# KiCad board ovc5.kicad_pcb (continued)
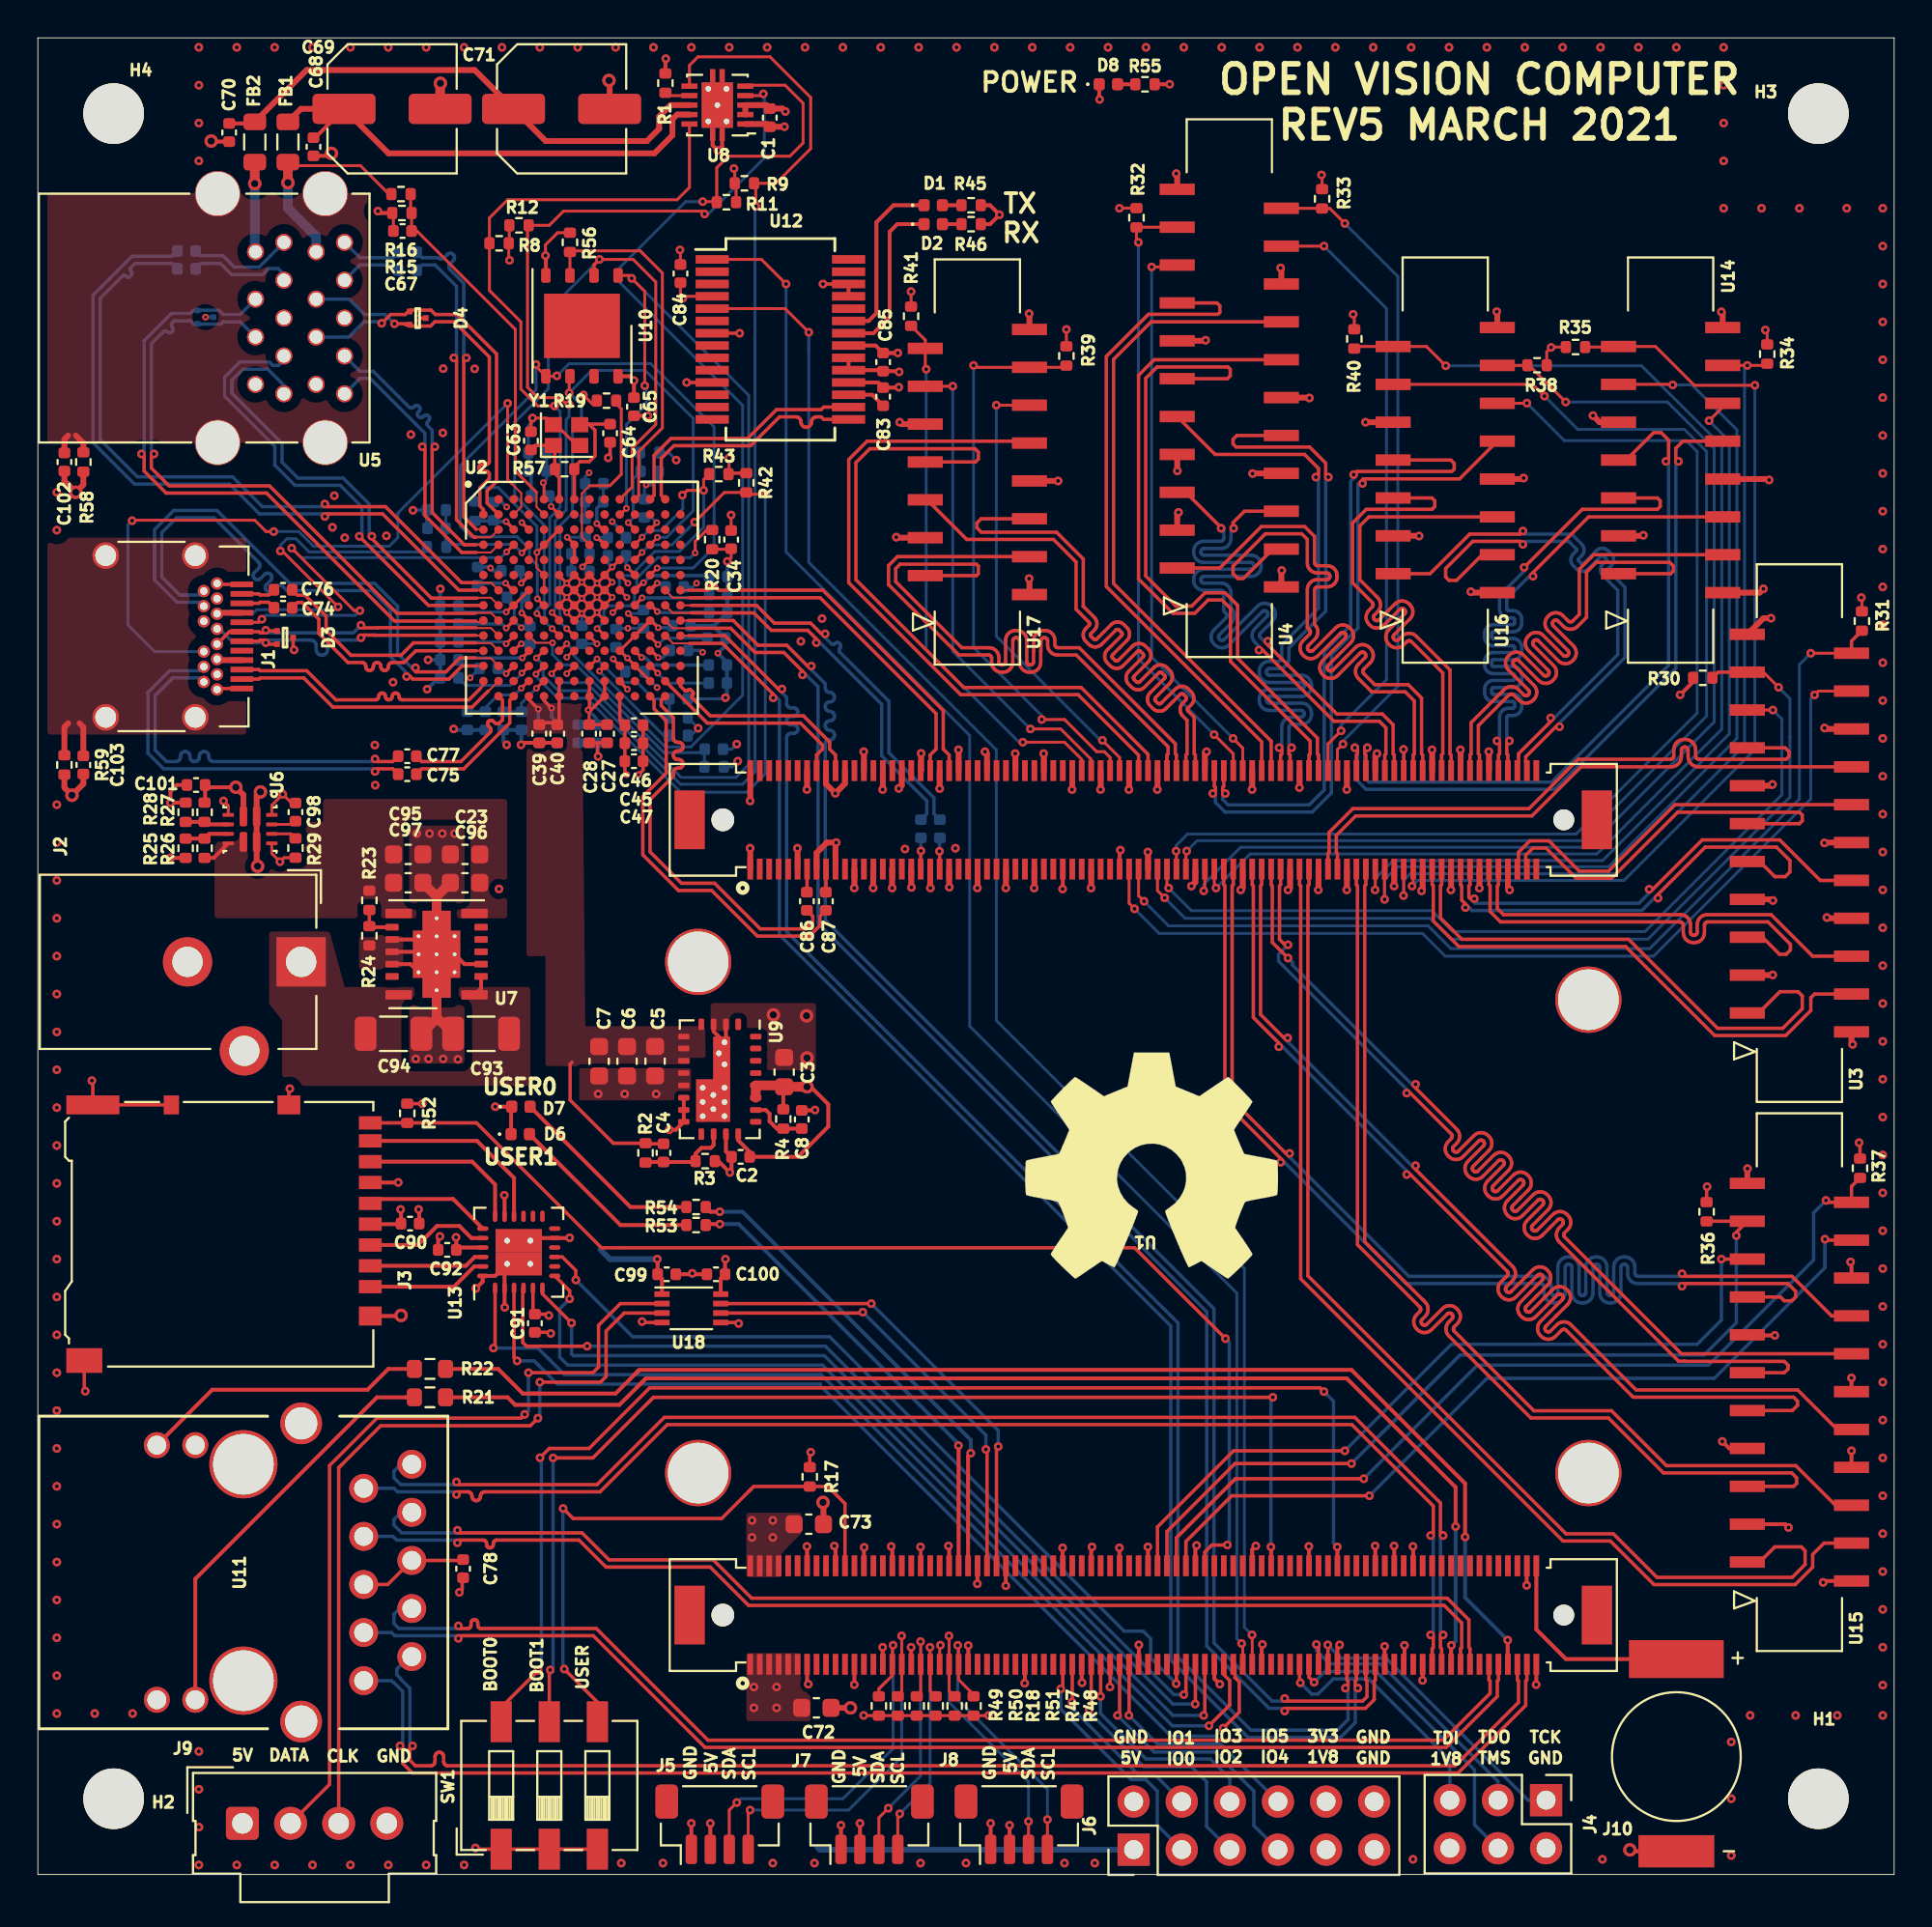
[diagram p0: board, top side]
## Nets
+1V2: C4.1 C5.1 C6.1 C7.1 C37.1 C38.1 C39.1 C40.1 R2.1 U2.N6 U2.P4 U2.P5 U2.P6 U9.4 U9.5 U9.6 U9.7
+1V8: C84.2 C91.2 C100.1 J4.6 J6.9 R30.1 R31.1 R32.1 R33.1 R34.1 R35.1 R36.1 R37.1 R38.1 R39.1 R40.1 R41.1 R52.1 U1.A41 U1.A74 U1.A77 U1.B52 U1.B64 U1.B67 U1.B76 U1.B88 U1.B95 U1.B108 U1.B128 U1.B140 U1.B143 U12.4 U13.5 U18.8
+3V3: C2.1 C3.1 C41.1 C42.1 C43.1 C44.1 C45.1 C46.1 C47.1 C48.1 C49.1 C50.1 C51.1 C52.1 C53.1 C54.1 C55.1 C56.1 C58.1 C60.1 C65.1 C85.1 C90.2 C92.1 J3.4 J5.2 J6.10 J7.2 J8.2 R4.1 R5.1 R6.1 R7.1 R8.1 R9.1 R11.1 R12.1 R17.1 R18.2 R42.1 R43.1 R44.2 R45.1 R46.1 R47.2 R48.2 R49.1 R50.1 R51.1 R55.1 R60.1 U1.A26 U1.A29 U1.A38 U1.A50 U1.A86 U1.B55 U1.B79 U1.B115 U1.B127 U1.B152 U1.B155 U2.A5 U2.C3 U2.C9 U2.C12 U2.E8 U2.F10 U2.G3 U2.G12 U2.H10 U2.J12 U2.K11 U2.L3 U2.L7 U2.L10 U2.L12 U2.M3 U2.M7 U2.M11 U2.N12 U2.P10 U3.22 U4.22 U9.10 U9.11 U9.12 U9.16 U9.19 U9.20 U10.8 U11.12 U11.13 U12.19 U12.20 U13.17 U13.21 U14.15 U15.22 U16.15 U17.15
+5V: C1.1 C34.1 C36.1 C72.1 C73.1 C99.2 J6.1 J9.1 U1.A1 U1.A2 U1.A3 U1.A4 U1.A5 U1.A6 U1.A7 U1.A8 U1.A9 U1.A11 U2.C4 U2.D7 U2.E7 U6.1 U6.8 U8.2 U8.3 U18.1
/USB/1V0_PHY: C12.1 C13.1 C14.1 C15.1 C16.1 C17.1 C18.1 C19.1 C20.1 C21.1 C22.1 C24.1 C25.1 C26.1 C27.1 C28.1 U2.G4 U2.G11 U2.H3 U2.H11 U2.H12 U2.J3 U2.K3 U2.K8 U2.K12 U2.L4 U2.L11 U2.M4 U2.M12 U2.N8 U2.N9 U2.P8 U2.P9
/USB/V1P0_MEM_A: C29.1 C30.1 U2.N5
/USB/V1P0_MEM_B: C31.1 C32.1 U2.N4
/USB/VBUS_0: FB1.2 R15.2 U5.10
/USB/VBUS_1: FB2.2 U5.1
/USB/VBUS_MON_P0: C66.1 R13.1 R14.2 U2.D4
/USB/VBUS_MON_P1: C67.1 R15.1 R16.2 U2.B5
/USB/VBUS_SW_0: C68.1 C69.1 FB1.1 U8.9
/USB/VBUS_SW_1: C70.1 C71.1 FB2.1 U8.8
/USB/VDD10: C57.1 C59.1 C61.1 C62.1 U2.F4 U2.F11 U2.J4 U2.J11
GND: C1.2 C2.2 C3.2 C5.2 C6.2 C7.2 C8.2 C9.2 C10.2 C11.2 C12.2 C13.2 C14.2 C15.2 C16.2 C17.2 C18.2 C19.2 C20.2 C21.2 C22.2 C23.2 C24.2 C25.2 C26.2 C27.2 C28.2 C29.2 C30.2 C31.2 C32.2 C33.2 C34.2 C35.2 C36.2 C37.2 C38.2 C39.2 C40.2 C41.2 C42.2 C43.2 C44.2 C45.2 C46.2 C47.2 C48.2 C49.2 C50.2 C51.2 C52.2 C53.2 C54.2 C55.2 C56.2 C57.2 C58.2 C59.2 C60.2 C61.2 C62.2 C63.1 C64.2 C65.2 C66.2 C67.2 C68.2 C69.2 C70.2 C71.2 C72.2 C73.2 C78.2 C83.1 C84.1 C85.2 C90.1 C91.1 C92.2 C93.2 C94.2 C95.2 C96.2 C97.2 C98.2 C99.1 C100.2 C101.2 C102.1 C103.1 D3.3 D4.3 D5.3 D6.1 D7.1 D8.1 J1.A1 J1.A12 J1.B1 J1.B12 J2.2 J2.3 J3.6 J3.10 J3.11 J4.2 J5.1 J6.2 J6.11 J6.12 J7.1 J8.1 J9.4 J10.1 R1.2 R3.2 R10.2 R14.1 R16.1 R19.2 R20.2 R24.2 R26.2 R28.2 R29.2 R56.2 R58.2 R59.2 SW1.1 SW1.2 SW1.3 U1.A13 U1.A14 U1.A20 U1.A23 U1.A32 U1.A35 U1.A44 U1.A47 U1.A56 U1.A59 U1.A68 U1.A71 U1.A80 U1.A83 U1.A96 U1.A99 U1.A108 U1.A109 U1.A120 U1.A125 U1.A134 U1.A135 U1.A138 U1.A139 U1.A142 U1.A143 U1.A166 U1.A167 U1.B1 U1.B2 U1.B11 U1.B14 U1.B15 U1.B18 U1.B19 U1.B22 U1.B23 U1.B26 U1.B27 U1.B30 U1.B31 U1.B34 U1.B35 U1.B38 U1.B39 U1.B42 U1.B43 U1.B46 U1.B49 U1.B58 U1.B61 U1.B70 U1.B73 U1.B82 U1.B85 U1.B98 U1.B105 U1.B118 U1.B121 U1.B134 U1.B137 U1.B146 U1.B149 U1.B158 U1.B161 U2.E10 U2.F6 U2.F7 U2.F8 U2.F9 U2.G6 U2.G7 U2.G8 U2.G9 U2.H6 U2.H7 U2.H8 U2.H9 U2.J7 U2.J8 U2.J9 U2.N10 U3.1 U3.4 U3.7 U3.8 U3.11 U3.14 U3.17 U4.1 U4.4 U4.7 U4.8 U4.11 U4.14 U4.17 U5.4 U5.7 U5.13 U5.16 U6.3 U6.9 U6.12 U7.3 U7.10 U7.11 U7.12 U7.15 U8.1 U8.11 U9.2 U9.3 U9.8 U9.9 U9.15 U9.25 U10.4 U11.MNT U11.SHLD U12.7 U12.11 U12.18 U12.21 U12.25 U12.26 U13.2 U13.11 U13.24 U13.25 U14.1 U14.4 U14.7 U14.10 U15.1 U15.4 U15.7 U15.8 U15.11 U15.14 U15.17 U16.1 U16.4 U16.7 U16.10 U17.1 U17.4 U17.7 U17.10 U18.4 U18.5 Y1.2 Y1.4
VBUS: C101.1 J1.A4 J1.A9 J1.B4 J1.B9 R13.2 R27.1 U6.2
/Enclustra module/BATT: J10.2 U1.A168
/Enclustra module/JTAG_TCK: J4.1 U1.A123
/Enclustra module/JTAG_TDI: J4.5 U1.A117
/Enclustra module/JTAG_TDO: J4.3 U1.A121
/Enclustra module/JTAG_TMS: J4.4 U1.A119
/Enclustra module/USER_LED0: R53.1 U1.A46
/Enclustra module/USER_LED1: R54.1 U1.A48
/Interfaces/FAN_CLK: J9.3 U18.3
/Interfaces/FAN_DATA: J9.2 U18.2
/Interfaces/RXLED: D2.1 U12.22
/Interfaces/SD_CLK: J3.5 U13.19
/Interfaces/SD_CMD: J3.3 U13.20
/Interfaces/SD_D0: J3.7 U13.18
/Interfaces/SD_D1: J3.8 U13.16
/Interfaces/SD_D2: J3.1 U13.23
/Interfaces/SD_D3: J3.2 U13.22
/Interfaces/TXLED: D1.1 U12.23
/Power/VAUX: C93.1 C94.1 J2.1 U7.1 U7.2 U7.14
/Power/VREG: C23.1 C95.1 C96.1 C97.1 R23.1 R25.1 U6.6 U6.7 U7.7 U7.8
/USB/A_SHIELD: C102.2 R58.1 U5.S
/USB/C_SHIELD: C103.2 J1.S1 R59.1
/USB/CHIPEN: R60.2 U2.M9
/USB/nOVC0: R8.2 U2.K6 U8.10
/USB/nOVC1: R9.2 U2.L5 U8.6
/USB/RESET_HUB: C9.1 R5.2 U2.M8
/USB/USB_DS_CC1: J1.A5 U2.D3
/USB/USB_DS_CC2: J1.B5 U2.B3
/USB/USB_DS_D_N: D3.2 J1.A7 J1.B7 U2.K1
/USB/USB_DS_D_P: D3.1 J1.A6 J1.B6 U2.K2
/USB/USB_DS_RX1_N: J1.B10 U2.M2
/USB/USB_DS_RX1_P: J1.B11 U2.M1
/USB/USB_DS_RX2_N: J1.A10 U2.N1
/USB/USB_DS_RX2_P: J1.A11 U2.N2
/USB/USB_DS_TX1_CONN_N: C76.1 J1.A2
/USB/USB_DS_TX1_CONN_P: C74.1 J1.A3
/USB/USB_DS_TX1_N: C76.2 U2.L2
/USB/USB_DS_TX1_P: C74.2 U2.L1
/USB/USB_DS_TX2_CONN_N: C77.1 J1.B2
/USB/USB_DS_TX2_CONN_P: C75.1 J1.B3
/USB/USB_DS_TX2_N: C77.2 U2.P2
/USB/USB_DS_TX2_P: C75.2 U2.P3
/USB/USB_H0_D_N: D4.2 U2.B1 U5.11
/USB/USB_H0_D_P: D4.1 U2.B2 U5.12
/USB/USB_H0_RX_N: U2.D2 U5.14
/USB/USB_H0_RX_P: U2.D1 U5.15
/USB/USB_H0_TX_CONN_N: C79.1 U5.17
/USB/USB_H0_TX_CONN_P: C81.1 U5.18
/USB/USB_H0_TX_N: C79.2 U2.C2
/USB/USB_H0_TX_P: C81.2 U2.C1
/USB/USB_H1_D_N: D5.2 U2.J1 U5.2
/USB/USB_H1_D_P: D5.1 U2.J2 U5.3
/USB/USB_H1_RX_N: U2.H2 U5.5
/USB/USB_H1_RX_P: U2.H1 U5.6
/USB/USB_H1_TX_CONN_N: C80.1 U5.8
/USB/USB_H1_TX_CONN_P: C82.1 U5.9
/USB/USB_H1_TX_N: C80.2 U2.G2
/USB/USB_H1_TX_P: C82.2 U2.G1
/USB/USB_I2C_SCL: R42.2 U2.E11 U2.M5
/USB/USB_I2C_SDA: R43.2 U2.D11 U2.G10
/USB/USB_SP_nWP: R56.1 U2.A11 U10.3
/USB/USB_SPI_CLK: U2.D12 U2.K7 U10.6
/USB/USB_SPI_CS: U2.B10 U2.M6 U10.1
/USB/USB_SPI_DI: U2.F12 U2.H5 U10.5
/USB/USB_SPI_DO: U2.A10 U2.J5 U10.2
/USB/USB_US0_CC1: R19.1 U2.D8
/USB/USB_US1_CC1: R20.1 U2.K9
/USB/USBEN0: R12.2 U2.J6 U8.4
/USB/USBEN1: R11.2 U2.L6 U8.5
/USB/XRES_DMC: C10.1 R6.2 U2.C11
/USB/XRES_PD: C11.1 R7.2 U2.K4
BOOT_MODE0: SW1.6 U1.A126
BOOT_MODE1: SW1.5 U1.A112
CAM0_CLK+: U1.B123 U3.16
CAM0_CLK-: U1.B125 U3.15
CAM0_DAT0+: U1.B151 U3.10
CAM0_DAT0-: U1.B153 U3.9
CAM0_DAT1+: U1.B163 U3.13
CAM0_DAT1-: U1.B165 U3.12
CAM0_DAT2+: U1.B157 U3.6
CAM0_DAT2-: U1.B159 U3.5
CAM0_DAT3+: U1.B145 U3.3
CAM0_DAT3-: U1.B147 U3.2
CAM0_ENABLE: U1.B89 U3.18
CAM0_SCL: R30.2 U1.B87 U3.20
CAM0_SDA: R31.2 U1.B83 U3.21
CAM0_TRIGGER: U1.B81 U3.19
CAM1_CLK+: U1.B110 U4.16
CAM1_CLK-: U1.B112 U4.15
CAM1_DAT0+: U1.B114 U4.10
CAM1_DAT0-: U1.B116 U4.9
CAM1_DAT1+: U1.B120 U4.13
CAM1_DAT1-: U1.B122 U4.12
CAM1_DAT2+: U1.B136 U4.6
CAM1_DAT2-: U1.B138 U4.5
CAM1_DAT3+: U1.B142 U4.3
CAM1_DAT3-: U1.B144 U4.2
CAM1_ENABLE: U1.B106 U4.18
CAM1_SCL: R32.2 U1.B104 U4.20
CAM1_SDA: R33.2 U1.B126 U4.21
CAM1_TRIGGER: U1.B124 U4.19
CAM2_CLK+: U1.B130 U14.9
CAM2_CLK-: U1.B132 U14.8
CAM2_DAT0+: U1.B154 U14.3
CAM2_DAT0-: U1.B156 U14.2
CAM2_DAT1+: U1.B160 U14.6
CAM2_DAT1-: U1.B162 U14.5
CAM2_ENABLE: U1.B133 U14.11
CAM2_SCL: R34.2 U1.B139 U14.13
CAM2_SDA: R35.2 U1.B141 U14.14
CAM2_TRIGGER: U1.B135 U14.12
CAM3_CLK+: U1.B101 U15.16
CAM3_CLK-: U1.B103 U15.15
CAM3_DAT0+: U1.B107 U15.10
CAM3_DAT0-: U1.B109 U15.9
CAM3_DAT1+: U1.B111 U15.13
CAM3_DAT1-: U1.B113 U15.12
CAM3_DAT2+: U1.B129 U15.6
CAM3_DAT2-: U1.B131 U15.5
CAM3_DAT3+: U1.B117 U15.3
CAM3_DAT3-: U1.B119 U15.2
CAM3_ENABLE: U1.A88 U15.18
CAM3_SCL: R36.2 U1.A90 U15.20
CAM3_SDA: R37.2 U1.A92 U15.21
CAM3_TRIGGER: U1.A94 U15.19
CAM4_CLK+: U1.B100 U16.9
CAM4_CLK-: U1.B102 U16.8
CAM4_DAT0+: U1.B164 U16.3
CAM4_DAT0-: U1.B166 U16.2
CAM4_DAT1+: U1.B148 U16.6
CAM4_DAT1-: U1.B150 U16.5
CAM4_ENABLE: U1.B91 U16.11
CAM4_SCL: R38.2 U1.B97 U16.13
CAM4_SDA: R40.2 U1.B99 U16.14
CAM4_TRIGGER: U1.B93 U16.12
CAM5_CLK+: U1.B84 U17.9
CAM5_CLK-: U1.B86 U17.8
CAM5_DAT0+: U1.B90 U17.3
CAM5_DAT0-: U1.B92 U17.2
CAM5_DAT1+: U1.B94 U17.6
CAM5_DAT1-: U1.B96 U17.5
CAM5_ENABLE: U1.B80 U17.11
CAM5_SCL: R39.2 U1.B78 U17.13
CAM5_SDA: R41.2 U1.B72 U17.14
CAM5_TRIGGER: U1.B74 U17.12
DEBUG_UART_RX: U1.A105 U12.1
DEBUG_UART_TX: U1.A107 U12.5
FPGA_FAN_CLK: U1.A52 U18.6
FPGA_FAN_DATA: U1.A54 U18.7
FPGA_USB0_D+: U1.A127 U2.K14
FPGA_USB0_D-: U1.A129 U2.K13
FPGA_USB0_RX+: U1.B16 U2.N13
FPGA_USB0_RX-: U1.B20 U2.N14
FPGA_USB0_TX+: C86.1 U2.P13
FPGA_USB0_TX-: C87.1 U2.P12
FPGA_USB1_D+: U1.A131 U2.J14
FPGA_USB1_D-: U1.A133 U2.J13
FPGA_USB1_RX+: U1.B40 U2.G13
FPGA_USB1_RX-: U1.B44 U2.G14
FPGA_USB1_TX+: C88.1 U2.H13
FPGA_USB1_TX-: C89.1 U2.H14
GBE_LED_ACT: R21.2 U1.A149
GBE_LED_LINK: R22.2 U1.A161
GBE_MDI0_N: U1.A163 U11.2
GBE_MDI0_P: U1.A165 U11.1
GBE_MDI1_N: U1.A157 U11.4
GBE_MDI1_P: U1.A159 U11.3
GBE_MDI2_N: U1.A151 U11.7
GBE_MDI2_P: U1.A153 U11.8
GBE_MDI3_N: U1.A145 U11.9
GBE_MDI3_P: U1.A147 U11.10
GPIO0: J6.3 U1.A67
GPIO1: J6.4 U1.A69
GPIO2: J6.5 U1.A73
GPIO3: J6.6 U1.A75
GPIO4: J6.7 U1.A79
GPIO5: J6.8 U1.A81
QWIIC0_SCL: J5.4 R18.1 U1.A33
QWIIC0_SDA: J5.3 R49.2 U1.A31
QWIIC1_SCL: J7.4 R47.1 U1.A39
QWIIC1_SDA: J7.3 R50.2 U1.A37
QWIIC2_SCL: J8.4 R48.1 U1.A45
QWIIC2_SDA: J8.3 R51.2 U1.A43
SDIO_CDn: J3.9 R52.2 U1.A98
SDIO_CLK: U1.A91 U13.9
SDIO_CMD: U1.A93 U13.4
SDIO_D0: U1.A95 U13.6
SDIO_D1: U1.A97 U13.7
SDIO_D2: U1.A101 U13.1
SDIO_D3: U1.A103 U13.3
USB_UART_D+: U2.A13 U12.15
USB_UART_D-: U2.A12 U12.16
USER_DIP: R17.2 SW1.4 U1.A22
Net-(C4-Pad2): C4.2 R2.2 R3.1 U9.14
Net-(C8-Pad1): C8.1 R4.2 U9.18
Net-(C33-Pad1): C33.1 U2.D9
Net-(C35-Pad1): C35.1 U2.B6
Net-(C63-Pad2): C63.2 R57.2 U2.A6 Y1.1
Net-(C78-Pad1): C78.1 U11.5 U11.6
Net-(C83-Pad2): C83.2 U12.17
Net-(C86-Pad2): C86.2 U1.B13
Net-(C87-Pad2): C87.2 U1.B17
Net-(C88-Pad2): C88.2 U1.B37
Net-(C89-Pad2): C89.2 U1.B41
Net-(C98-Pad1): C98.1 U6.11
Net-(D1-Pad2): D1.2 R45.2
Net-(D2-Pad2): D2.2 R46.2
Net-(D6-Pad2): D6.2 R53.2
Net-(D7-Pad2): D7.2 R54.2
Net-(D8-Pad2): D8.2 R55.2
Net-(R1-Pad1): R1.1 U8.7
Net-(R10-Pad1): R10.1 U2.M10
Net-(R21-Pad1): R21.1 U11.11
Net-(R22-Pad1): R22.1 U11.14
Net-(R23-Pad2): R23.2 R24.1 U7.9
Net-(R25-Pad2): R25.2 R26.1 U6.5
Net-(R27-Pad2): R27.2 R28.1 U6.4
Net-(R29-Pad1): R29.1 U6.10
Net-(R44-Pad1): R44.1 U2.C6 U2.D5 U2.F5 U2.G5
Net-(U2-PadA7): C64.1 R57.1 U2.A7 Y1.3

Pads without a net: J1 A8 B8; J5 MP; J7 MP; J8 MP; U1 A10 A12 A15 A16 A17 A18 A19 A21 A24 A25 A27 A28 A30 A34 A36 A40 A42 A49 A51 A53 A55 A57 A58 A60 A61 A62 A63 A64 A65 A66 A70 A72 A76 A78 A82 A84 A85 A87 A89 A100 A102 A104 A106 A110 A111 A113 A114 A115 A116 A118 A122 A124 A128 A130 A132 A136 A137 A140 A141 A144 A146 A148 A150 A152 A154 A155 A156 A158 A160 A162 A164 AM1 AM2 B3 B4 B5 B6 B7 B8 B9 B10 B12 B21 B24 B25 B28 B29 B32 B33 B36 B45 B47 B48 B50 B51 B53 B54 B56 B57 B59 B60 B62 B63 B65 B66 B68 B69 B71 B75 B77 B167 B168 BM1 BM2 H1 H2 H3 H4; U2 A2 A3 A4 A8 A9 B4 B7 B8 B9 B11 B12 B13 B14 C5 C7 C8 C10 C13 C14 D6 D10 D13 D14 E1 E2 E3 E4 E5 E6 E9 E12 E13 E14 F1 F2 F3 F13 F14 H4 J10 K5 K10 L8 L9 L13 L14 M13 M14 N3 N7 N11 P7 P11; U7 4 5 6 13; U9 1 13 17 21 22 23 24; U10 7 9; U12 2 3 6 8 9 10 12 13 14 24 27 28; U13 8 10 12 13 14 15

## Via types
v1: diameter 0.457, hole 0.203, Top to Bottom, 623 vias
v2: diameter 0.356, hole 0.152, Top to Bottom, 95 vias
v3: diameter 0.711, hole 0.381, Top to Bottom, 19 vias

## Routing (per net, layer and track width the routed paths; a pad name or vN(x,y) marks a point on that pad's centre or on a via; arc(x,y) is an arc through that point)
+1V2: length 14.4
  Top w0.178: U2.P4 25.92,62.05 v2(26.42,61.55) ; 28.2,42.9 28.1,42.8 28.1,40.9 30.38,38.62 R2.1 32.11,38.59 C4.1 ; v2(27.12,61.6) 26.72,62 U2.P5 ; U2.N6 U2.P6 27.52,60.93 27.42,60.83 26.47,60.83
  Bottom w0.178: 27.42,60.83 27.12,61.13 v2(27.12,61.6) ; 26.47,60.83 26.42,60.88 v2(26.42,61.55)
+1V8: length 31.4
  Top w0.152: R34.1 91.3,81.47 v1(91.2,81.57) ; R35.1 79.91,80.67 v1(79.89,80.65) 79.66,80.42 R38.1 ; R41.1 v1(46.1,83.6) ; U1.A41 47.61,12.07 v1(47.65,12.11) ; R33.1 67.8,89.73 v1(67.77,89.76) ; C84.2 33.92,83.38 v1(34.05,83.25) 34.15,83.35 U12.4 ; R32.1 57.11,88.01 v1(57.1,88) ; v1(69.44,82.4) 69.5,82.34 R40.1 ; v1(96.27,67.44) 96.3,67.41 R31.1 ; R39.1 v1(54.3,81.6)
  Top w0.178: v1(20.3,40.7) 20.29,40.71 R52.1 ; R36.1 88.1,36.3 v1(88.12,36.33) ; U1.A77 56.61,9.91 v1(56.6,9.9) ; U13.5 26.14,29.69 C91.2 26.91,29.59 v1(26.98,29.53) ; U1.B140 72.11,59.41 v1(72.1,59.42) ; R37.1 96.2,38.6 v1(96.15,38.65)
  Top w0.203: U18.8 36.05,31.47 C100.1 36.28,32.48 v1(36.3,32.5) ; U1.B67 54.11,52.06 v1(54.1,52.05) ; U1.A74 55.61,17.26 v1(55.65,17.3) ; R30.1 87.39,62.99 v1(86.7,62.3)
  Top w0.305: v1(73.05,51.95) 73.11,52.01 U1.B143 ; U1.B95 61.11,52.41 v1(60.9,52.2) ; v1(50,59.3) 50.11,59.19 U1.B52 ; v1(64.1,57.3) 64.11,57.31 U1.B108 ; U1.B128 69.11,57.31 v1(69.1,57.3) ; v1(53.1,59.2) 53.11,59.19 U1.B64 ; U1.B88 59.11,57.31 v1(59.1,57.3) ; v1(56.1,57.3) 56.11,57.31 U1.B76
+3V3: length 97.9
  Top w0.152: v1(24.9,85.25) 24.86,85.29 R8.1 24.89,86.18 R12.1 ; U2.H10 30.72,67.02 v2(30.35,66.65) ; U2.K11 U2.L10 30.74,64.63 v2(31.12,64.25) ; 26.8,73.5 26.72,73.42 U2.A5 ; v1(36.49,74.81) 36.49,73.99 R43.1 ; U2.N12 U2.M11 31.52,63.85 v2(31.12,64.25) ; U2.L3 25.49,65 v2(25.52,65) ; v1(50.2,8.4) 50.19,8.39 R48.2 R49.1 43.61,8.39 v1(43.6,8.4) ; v2(31.15,68.2) 30.72,68.63 U2.F10 ; v2(27.92,64.29) 28.26,64.63 U2.L7 ; v2(28.75,69.06) 28.75,69.06 U2.E8 ; v2(27.92,63.42) 28.32,63.82 U2.M7 ; U2.C12 32.67,71.38 v2(32.67,71.4) ; R11.1 36.86,89.25 R9.1 36.79,90.06 v1(36.75,90.1) ; v2(31.12,64.25) 31.12,64.25
  Top w0.178: 31.12,60.83 C46.1 ; C46.1 30.72,60.97 U2.P10 ; C46.1 C45.1 C47.1 30.99,58.19 v2(31.09,58.09) ; v2(24.73,63.42) 24.73,63.43 U2.M3 25.05,63.83 ; U2.G3 25.07,67.83 v2(24.7,68.2) ; v1(46.6,17.3) 46.61,17.29 U1.A38 ; R17.1 40.75,22.25 v1(40.8,22.3) ; R43.1 36.51,74.01 R42.1 ; U2.C9 29.83,71.03 v2(29.51,71.35) ; U2.K11 U2.J12 32.37,66.23 v2(32.75,65.85) ; U2.C3 25.12,71.05 v2(24.73,71.45) ; v2(32.75,64.27) 32.39,64.63 U2.L12
  Top w0.203: J5.2 v1(35.5,2.7) ; v1(19.15,35.12) 19.17,35.11 C90.2 19.14,34.34 J3.4 ; R46.1 50.27,87.16 v1(50.77,87.66) 50.27,88.16 R45.1 ; U13.17 24.64,35.86 v1(24.62,35.88) ; v1(57.15,54.1) 57.11,54.06 U1.B79 ; U13.21 22.22,33.11 C92.1 22.09,33.63 v1(22.08,33.65) ; v3(40.61,41.6) 40.81,41.6 41.73,40.67 41.73,39.5 40.13,37.9 C2.1 37.58,38.16 36.97,38.77 U9.16 ; R55.1 v1(59.75,94.55) ; v1(43.62,17.28) 43.61,17.26 U1.A26 ; U1.A50 49.6,16.29 v1(49.6,15.35) ; R4.1 39.36,41.56 C3.1 ; U2.G12 32.33,67.83 v2(32.7,68.2) ; v1(33.33,39.33) 33.68,39.33 U9.12 U9.11 U9.10 ; U10.8 31.24,79.13 v1(31.47,78.9) C65.1 ; J7.2 v1(43.4,2.7) ; v1(45.47,79.36) 45.44,79.4 C85.1 44.57,79.45 U12.19 U12.20 ; v1(58.6,17.3) 58.61,17.29 U1.A86 ; v1(44.6,12) 44.6,11.11 U1.A29 ; J8.2 v1(51.3,2.6)
  Top w0.305: v1(52.33,82.43) 52.35,82.41 U17.15 ; v1(60.1,89.83) 60.15,89.78 U4.22 ; U1.B55 51.11,52.11 v1(51.1,52.1) ; U15.22 90.25,37.27 v1(90.26,37.28) ; U3.22 91.1,66.35 v1(91.5,66.35) ; v1(66,52) 66.11,52.11 U1.B115 ; v1(76.1,52.09) 76.11,52.1 U1.B155 ; v1(88.88,82.53) 88.95,82.46 U14.15 ; v1(75.1,59.4) 75.11,59.39 U1.B152 ; U1.B127 69.11,52.01 v1(69.1,52) ; U16.15 77.05,82.51 v1(77.02,82.54)
  Top w0.508: U9.19 U9.20 39.33,41.67 C3.1 v3(40.61,41.6)
  Bottom w0.152: C42.1 32.4,71.67 v2(32.67,71.4) ; R6.1 33.3,75.1 v1(33.7,74.7) ; 26.85,73.8 26.85,73.68 v2(26.68,73.51) 26.69,73.5 26.8,73.5 ; R7.1 36.65,58.5 v1(36.95,58.8) ; C48.1 25.55,64.97 v2(25.52,65) ; R5.1 34.31,61.09 v1(34.86,60.54) 34.48,60.15 R60.1 ; C51.1 28.99,68.82 v2(28.75,69.06) 29.13,69.44 C49.1 ; C56.1 C55.1
  Bottom w0.178: v2(24.73,63.42) 24.45,63.7 C54.1 ; C56.1 29.51,72.16 v2(29.51,71.35) ; C44.1 33.39,65.85 v2(32.75,65.85) ; v2(31.12,64.25) 30.55,64.82 C43.1 ; C60.1 C58.1 ; v2(32.75,64.27) 32.99,64.27 C53.1 ; R44.2 24.02,71.49 C41.1 24.12,71.45 v2(24.73,71.45) ; C50.1 23.33,68.2 v2(24.7,68.2)
  Bottom w0.203: C52.1 32.94,68.2 v2(32.7,68.2)
+5V: length 32.3
  Top w0.152: v2(27.95,70.62) 28.32,70.25 U2.D7 U2.E7 ; C34.1 v1(36.6,71.8)
  Top w0.178: v2(25.55,71.4) 25.92,71.03 U2.C4
  Top w0.203: U18.1 32.95,31.47 C99.2 32.72,32.48 v1(32.7,32.5)
  Top w0.305: U8.2 U8.3 38.45,93.45 C1.1 39.31,93.27 v1(39.47,93.11) ; v3(11.6,53.25) 11.55,53.3 U6.8 U6.1 11.55,56.97 v3(11.75,57.17)
  Bottom w0.152: v2(27.95,70.62) 28.88,70.62 C36.1
  Bottom w0.305: J6.1 41.28,1.31 41.16,1.43 ; 29.7,33 30.2,32.5 v1(32.7,32.5)
  vias: v1(37.7,18.7) v1(37.7,17.8) v1(37.8,9.9) v1(37.8,8.8) v1(38.8,18.7) v1(38.8,17.8) v1(39,9.9) v1(39,8.8)
/USB/1V0_PHY: length 50.4
  Top w0.152: U2.K3 25.12,65.4 v2(24.72,65) 24.72,65 ; U2.G4 U2.H3 25.08,67.03 v2(24.73,66.67) ; 25.55,63.42 v2(25.55,63.45) 25.92,63.8 U2.M4 ; v2(32.72,63.45) 32.35,63.83 U2.M12 ; v2(32.74,64.96) 32.32,65.38 U2.K12 32.32,65.47 ; U2.K8 29.12,65.4 v2(29.52,65) ; C28.1 29.1,61.45 v2(29.05,61.5)
  Top w0.178: U2.G11 31.92,68.22 v2(31.97,68.22) ; U2.L4 25.92,64.6 v2(25.58,64.25) ; v2(24.73,65.83) 25.12,66.22 U2.J3 ; U2.H11 31.52,67.05 v2(31.9,67.42) ; U2.L11 31.52,64.63 v2(31.88,64.28) ; U2.N8 U2.P8 29.12,61.57 v2(29.05,61.5) 29.19,61.5 U2.P9 U2.N9 ; U2.H12 32.37,67.03 v2(32.7,66.7) ; C27.1 C28.1
  Bottom w0.152: 33.3,65.3 C20.1 ; 33.3,65.3 33.08,65.3 v2(32.74,64.96) ; 33.3,65.3 33.25,65.3 ; v2(32.72,63.45) 33.25,62.92 C18.1 ; C21.1 24.62,65.1 24.72,65 ; C15.1 22.52,66.67 v2(24.73,66.67) ; v2(29.52,65) 28.73,65 C24.1 ; C13.1 22.6,62.8 24.92,62.8 25.55,63.42
  Bottom w0.178: v2(29.05,61.5) 29.47,61.08 29.47,60.83 ; v2(31.97,68.22) 32.35,68.6 35.39,68.6 C22.1 ; v2(31.88,64.28) 32.06,64.28 32.46,63.88 C19.1 ; C16.1 32.75,66.65 v2(32.7,66.7) ; v2(31.9,67.42) 35.27,67.42 C17.1 ; v2(25.58,64.25) 22.3,64.25 C12.1 ; C26.1 C25.1 29.58,60.83 ; C14.1 24.5,66.05 v2(24.73,65.83)
/USB/V1P0_MEM_A: length 3.1
  Top w0.152: U2.N5 26.7,63.03 v2(26.32,62.65)
  Bottom w0.152: C29.1 C30.1 25.52,61.85 v2(26.32,62.65)
/USB/V1P0_MEM_B: length 4.1
  Top w0.152: v2(25.52,62.65) 25.9,63.03 U2.N4
  Bottom w0.152: C32.1 23.68,61.41 ; C32.1 23.62,61.62 24.3,62.3 25.17,62.3 v2(25.52,62.65) 25.47,62.65 ; C32.1 C31.1
/USB/VBUS_0: length 11.5
  Top w0.152: FB1.2 13.39,90.25 17.03,90.25 18.53,88.75 R15.2
  Top w0.508: FB1.2 v3(13.2,89.35)
  Bottom w0.508: U5.10 14.69,86.51 13.2,88 v3(13.2,89.35)
/USB/VBUS_1: length 4.8
  Top w0.508: FB2.2 v3(11.45,89.3)
  Bottom w0.508: U5.1 11.45,85.74 v3(11.45,89.3)
